# Allegro board REF_038HX-888005K4R-A100.brd
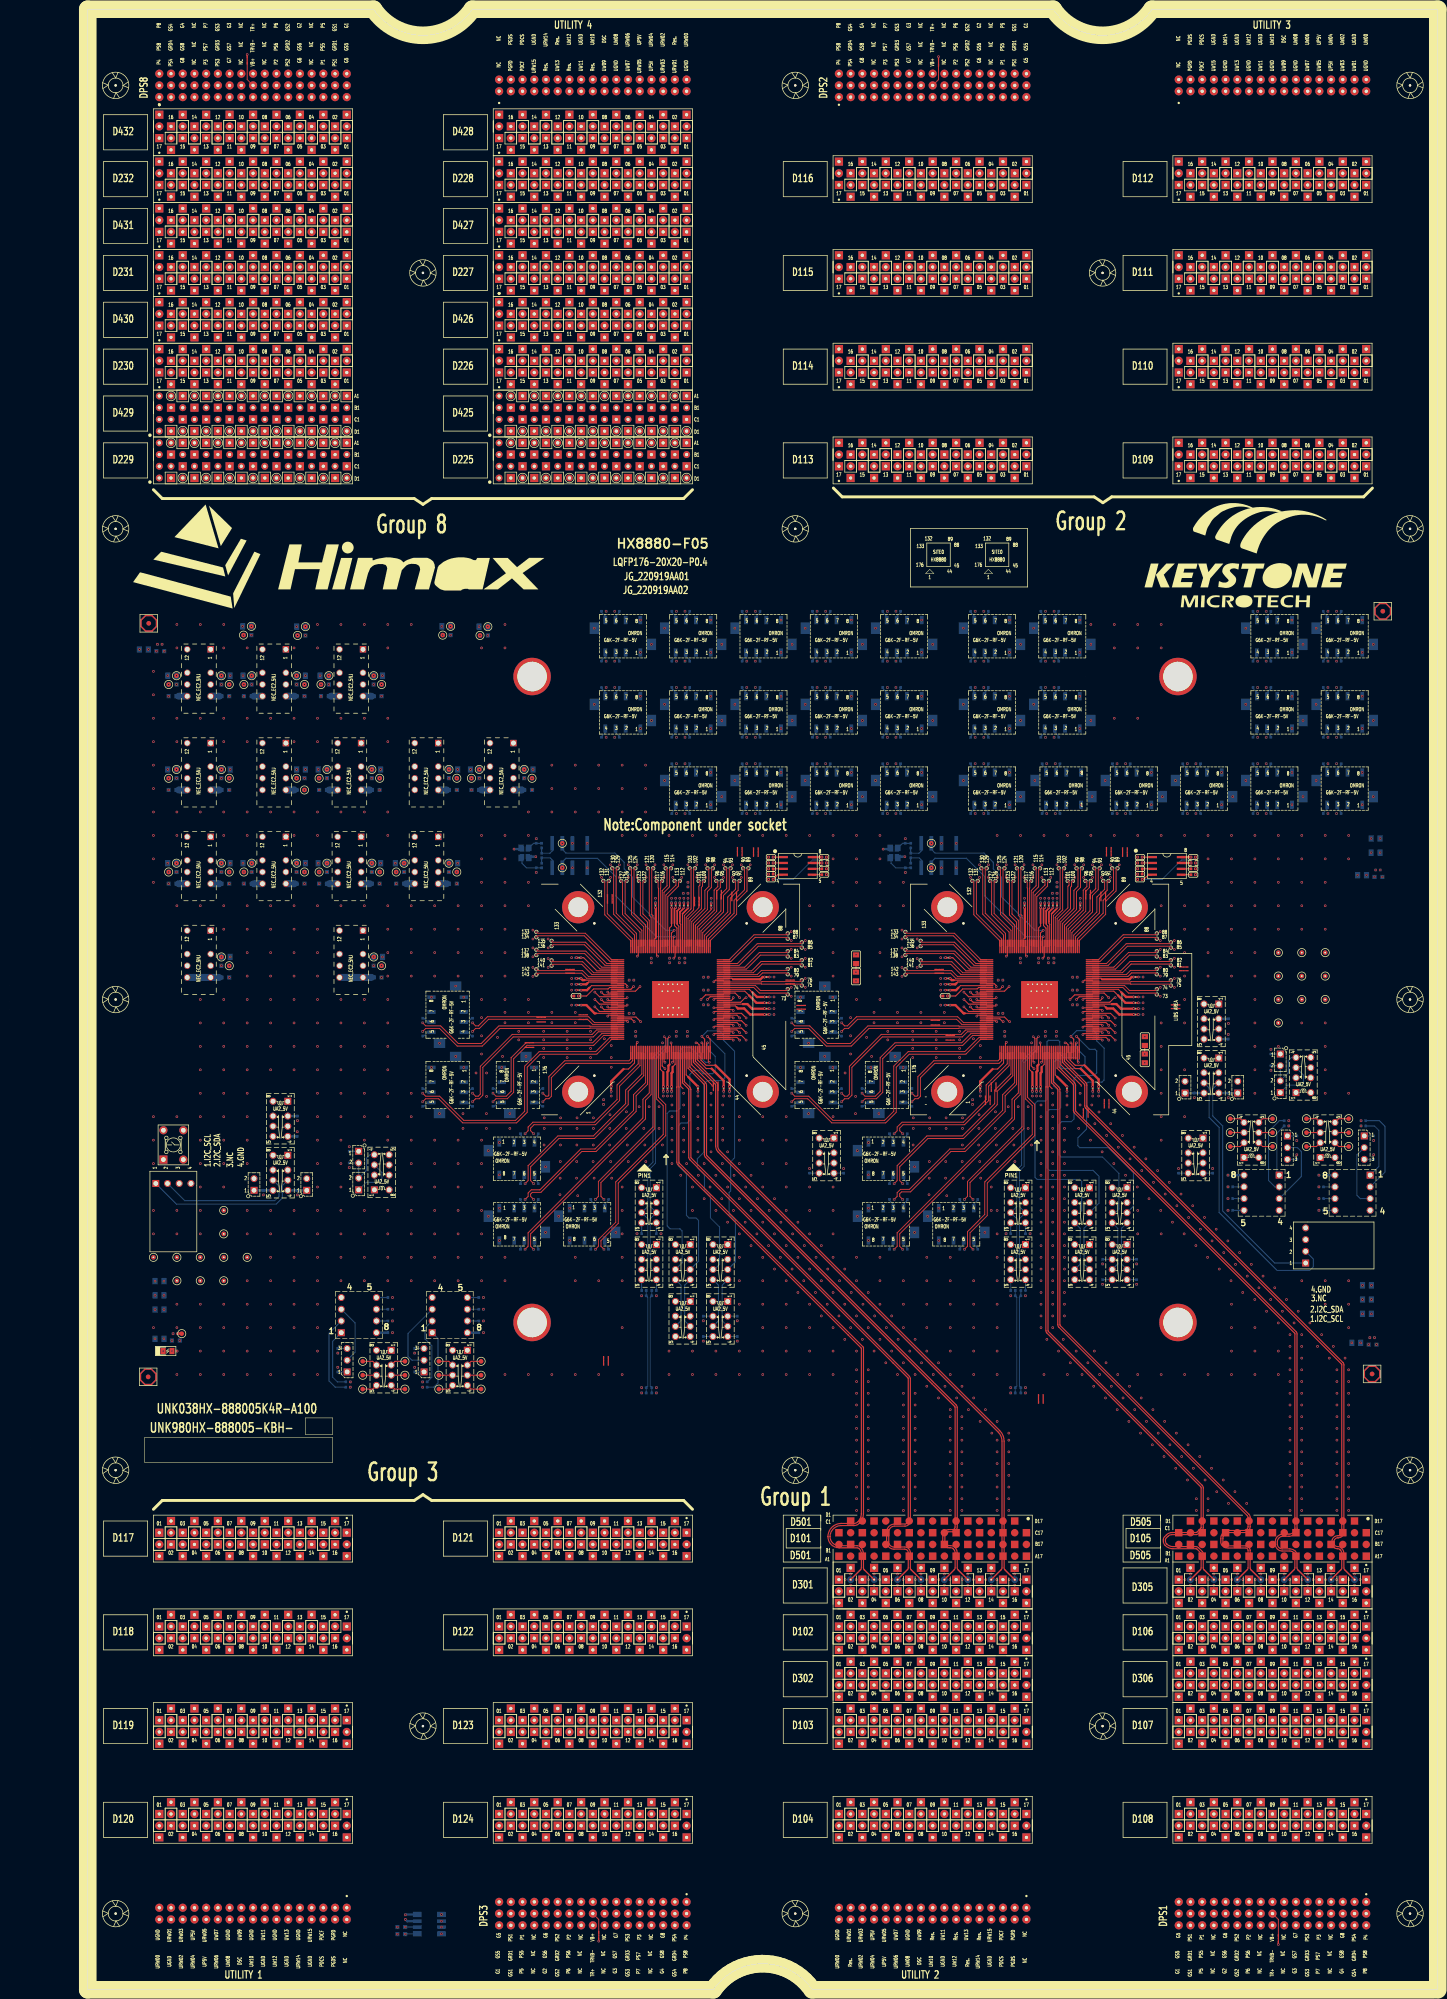
[diagram p0: board, top side]
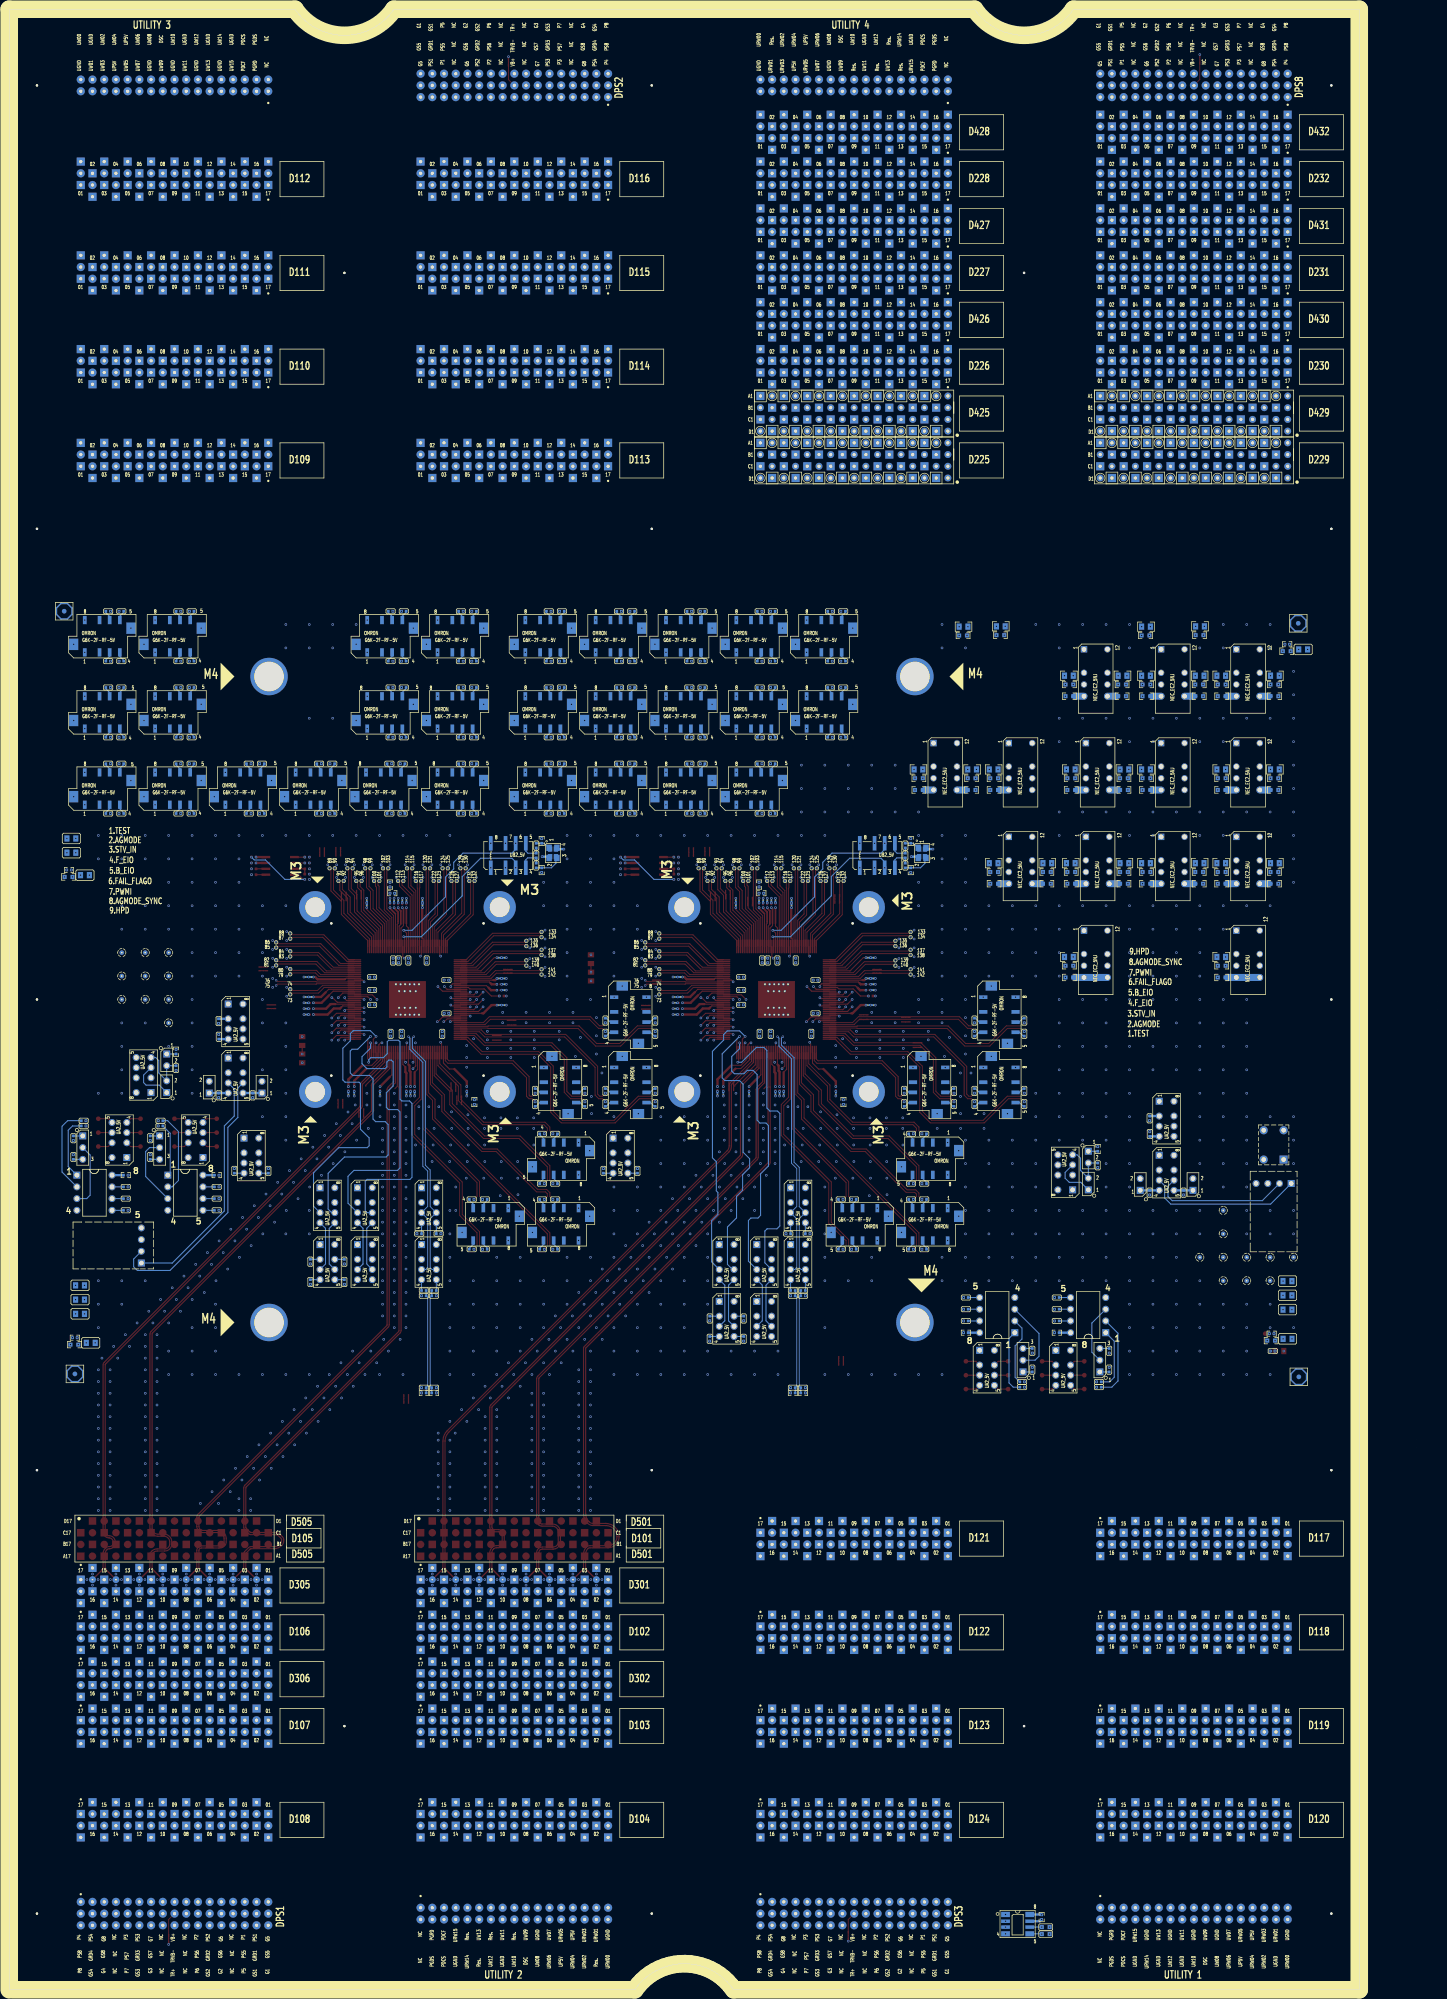
[diagram p1: board, bottom side, seen from below]

Outline 292.64 x 429.26 mm; copper layers: TOP, L02_GND, L03_SIGNAL, L04_GND, L05_SIGNAL, L06_GND, L07_SIGNAL, L08_GND, L09_POWER, L10_GND, L11_POWER, L12_USER, L13_CBIT, L14_POWER, L15_GND, L16_POWER, L17_GND, L18_POWER, L19_GND, L20_SIGNAL, L21_GND, L22_SIGNAL, L23_GND, BOTTOM. Coordinates in mm from the lower left corner of the outline.

## Design rules (mm)
net group 2AUX: nets S1_2AUX+ S1_2AUX-
net group D231_MCB1_E: nets D231_MCB1_E+ D231_MCB1_E-
net group D231_MCB1_EE: nets D231_MCB1_EE+ D231_MCB1_EE-
net group D231_MCB1_F: nets D231_MCB1_F+ D231_MCB1_F-
net group D231_MCB1_FF: nets D231_MCB1_FF+ D231_MCB1_FF-
net group D231_MCB1_G: nets D231_MCB1_G+ D231_MCB1_G-
net group D231_MCB1_GG: nets D231_MCB1_GG+ D231_MCB1_GG-
net group D231_MCB1_H: nets D231_MCB1_H+ D231_MCB1_H-
net group D231_MCB1_HH: nets D231_MCB1_HH+ D231_MCB1_HH-
net group D232_MCB1_E: nets D232_MCB1_E+ D232_MCB1_E-
net group D232_MCB1_EE: nets D232_MCB1_EE+ D232_MCB1_EE-
net group D232_MCB1_F: nets D232_MCB1_F+ D232_MCB1_F-
net group D232_MCB1_FF: nets D232_MCB1_FF+ D232_MCB1_FF-
net group D232_MCB1_G: nets D232_MCB1_G+ D232_MCB1_G-
net group D232_MCB1_GG: nets D232_MCB1_GG+ D232_MCB1_GG-
net group D232_MCB1_H: nets D232_MCB1_H+ D232_MCB1_H-
net group D232_MCB1_HH: nets D232_MCB1_HH+ D232_MCB1_HH-
net group D431_MCB1_A: nets D431_MCB1_A+ D431_MCB1_A-
net group D431_MCB1_AA: nets D431_MCB1_AA+ D431_MCB1_AA-
net group D431_MCB1_B: nets D431_MCB1_B+ D431_MCB1_B-
net group D431_MCB1_BB: nets D431_MCB1_BB+ D431_MCB1_BB-
net group D431_MCB1_C: nets D431_MCB1_C+ D431_MCB1_C-
net group D431_MCB1_CC: nets D431_MCB1_CC+ D431_MCB1_CC-
net group D431_MCB1_D: nets D431_MCB1_D+ D431_MCB1_D-
net group D431_MCB1_DD: nets D431_MCB1_DD+ D431_MCB1_DD-
net group D432_MCB1_A: nets D432_MCB1_A+ D432_MCB1_A-
net group D432_MCB1_AA: nets D432_MCB1_AA+ D432_MCB1_AA-
net group D432_MCB1_B: nets D432_MCB1_B+ D432_MCB1_B-
net group D432_MCB1_BB: nets D432_MCB1_BB+ D432_MCB1_BB-
net group D432_MCB1_C: nets D432_MCB1_C+ D432_MCB1_C-
net group D432_MCB1_CC: nets D432_MCB1_CC+ D432_MCB1_CC-
net group D432_MCB1_D: nets D432_MCB1_D+ D432_MCB1_D-
net group D432_MCB1_DD: nets D432_MCB1_DD+ D432_MCB1_DD-
net group S1_1AUX: nets S1_1AUX+ S1_1AUX-
net group S1_AUXCH: nets S1_AUXCH+ S1_AUXCH-
net group S2_1AUX: nets S2_1AUX+ S2_1AUX-
net group S2_2AUX: nets S2_2AUX+ S2_2AUX-
net group S2_AUXCH: nets S2_AUXCH+ S2_AUXCH-
net group AUX1: nets D12013 D12015 D12406 D12408
net group AUX2: nets D11801 D11803 D12201 D12203
net group CH: nets D10305 D10307 D10309 D10315 D10401 D10402 D10403 D10404 D10405 D10406 D10411 D10416 D10705 D10707 D10709 D10715 D10801 D10802 D10803 D10804 D10805 D10806 D10811 D10816 D11902 D11906 D11911 D12005 D12006 D12007 D12009 D12011 D12105 D12109 D12305 D12312 D12411 D12413 D12415 D12416
net group ELV_RX: nets D11805 D11806 D11807 D11808 D11809 D11810 D11811 D11812 D11813 D11814 D11815 D11816 D12205 D12206 D12207 D12208 D12209 D12210 D12211 D12212 D12213 D12214 D12215 D12216
net group FLASH: nets S1_SPI_CSN S1_SPI_SCK S1_SPI_SDI S1_SPI_SDO S2_SPI_CSN S2_SPI_SCK S2_SPI_SDI S2_SPI_SDO
net group ISP_TX: nets D10901 D10902 D10903 D10904 D10905 D10906 D10907 D10908 D10909 D10910 D10911 D10912 D10913 D10914 D10915 D10916 D11001 D11002 D11003 D11004 D11005 D11006 D11007 D11008 D11009 D11010 D11011 D11012 D11013 D11014 D11015 D11016 D11101 D11102 D11103 D11104 D11105 D11106 D11107 D11108 D11109 D11110 D11111 D11112 D11113 D11114 D11115 D11116 D11209 D11210 D11211 D11212 D11213 D11214 D11215 D11216 D11301 D11302 D11303 D11304 D11305 D11306 D11307 D11308 D11309 D11310 D11311 D11312 D11313 D11314 D11315 D11316 D11401 D11402 D11403 D11404 D11405 D11406 D11407 D11408 D11409 D11410 D11411 D11412 D11413 D11414 D11415 D11416 D11501 D11502 D11503 D11504 D11505 D11506 D11507 D11508 D11509 D11510 D11511 D11512 D11513 D11514 D11515 D11516 D11609 D11610 D11611 D11612 D11613 D11614 D11615 D11616
net group OLV_RX: nets D11702 D11704 D11706 D11708 D11710 D11712 D11713 D11714 D11715 D11716 D11802 D11804 D12102 D12104 D12106 D12108 D12110 D12112 D12113 D12114 D12115 D12116 D12202 D12204
net group RX_9G: nets D30102 D30104 D30106 D30108 D30110 D30112 D30114 D30116 D30502 D30504 D30506 D30508 D30510 D30512 D30514 D30516

## Placement (name value [footprint] x y rotation side)
2SH1  SHORT  [DEFAULT_SHORT_SMALL]  186.95 206.84 180 top
2SH2  SHORT  [DEFAULT_SHORT_SMALL]  186.95 205.83 180 top
2SH3  SHORT  [DEFAULT_SHORT_SMALL]  183.74 210.13 180 top
2SH4  SHORT  [DEFAULT_SHORT_SMALL]  183.74 209.11 180 top
2SH5  SHORT  [DEFAULT_SHORT_SMALL]  235.81 212.66 0 top
2SH6  SHORT  [DEFAULT_SHORT_SMALL]  235.81 213.47 0 top
2SH7  SHORT  [DEFAULT_SHORT_SMALL]  195.85 195.65 270 top
2SH8  SHORT  [DEFAULT_SHORT_SMALL]  196.87 195.65 270 top
2SH9  SHORT  [DEFAULT_SHORT_SMALL]  216.83 190.04 270 top
2SH10  SHORT  [DEFAULT_SHORT_SMALL]  215.81 190.04 270 top
2SH11  SHORT  [DEFAULT_SHORT_SMALL]  237.58 221.67 0 top
2SH12  SHORT  [DEFAULT_SHORT_SMALL]  237.58 220.87 0 top
2SH13  SHORT  [DEFAULT_SHORT_SMALL]  220.82 246.65 90 top
2SH14  SHORT  [DEFAULT_SHORT_SMALL]  221.84 246.65 90 top
2SH15  SHORT  [DEFAULT_SHORT_SMALL]  224.32 246.58 90 top
2SH16  SHORT  [DEFAULT_SHORT_SMALL]  225.33 246.58 90 top
2SH17  SHORT  [DEFAULT_SHORT_SMALL]  219.61 236.96 90 top
2SH18  SHORT  [DEFAULT_SHORT_SMALL]  220.63 236.96 90 top
2SH19  SHORT  [DEFAULT_SHORT_SMALL]  207.11 128.06 270 top
2SH20  SHORT  [DEFAULT_SHORT_SMALL]  206.09 128.06 270 top
2SH21  SHORT  [DEFAULT_SHORT_SMALL]  221.37 192.05 270 top
2SH22  SHORT  [DEFAULT_SHORT_SMALL]  220.35 192.05 270 top
2SH23  SHORT  [DEFAULT_SHORT_SMALL]  217.34 237.35 90 top
2SH24  SHORT  [DEFAULT_SHORT_SMALL]  216.33 237.35 90 top
2SH25  SHORT  [DEFAULT_SHORT_SMALL]  184.54 221.14 180 top
2SH26  SHORT  [DEFAULT_SHORT_SMALL]  184.54 220.34 180 top
2SH27  SHORT  [DEFAULT_SHORT_SMALL]  194.59 192.8 270 top
2SH28  SHORT  [DEFAULT_SHORT_SMALL]  195.61 192.8 270 top
BD29  BD120-3A-S8  [FB0805]  277.29 152.67 0 bottom
BD30  BD120-3A-S8  [FB0805]  15.56 147.42 0 bottom
BD31  BD120-3A-S8  [FB0805]  15.56 150.51 0 bottom
BD32  BD120-3A-S8  [FB0805]  15.56 153.59 0 bottom
BD33  BD120-3A-S8  [FB0805]  15.54 141.08 0 bottom
BD34  BD120-3A-S8  [FB0805]  274.97 140.21 0 bottom
BD35  BD120-3A-S8  [FB0805]  276.22 241.58 0 bottom
BD36  BD120-3A-S8  [FB0805]  279.17 246.45 0 bottom
BD37  BD120-3A-S8  [FB0805]  12.16 290.5 0 bottom
BD38  BD120-3A-S8  [FB0805]  279.17 249.53 0 bottom
BD39  BD120-3A-S8  [FB0805]  277.29 146.5 0 bottom
BD40  BD120-3A-S8  [FB0805]  277.29 149.59 0 bottom
BR902  330-1-S4  [R0402]  18.75 138.43 180 bottom
C3  0.1U-16-X-S4-MU  [C0402]  122.76 129.36 0 bottom
C4  0.1U-16-X-S4-MU  [C0402]  120.56 129.36 180 bottom
C5  22P-50-N-S4-AVX  [C0402]  97.22 248.99 90 bottom
C6  22P-50-N-S4-AVX  [C0402]  97.22 242.67 270 bottom
C7  0.1U-16-X-S4-MU  [C0402]  56.69 182.24 90 bottom
C8  0.1U-16-X-S4-MU  [C0402]  85.27 142.42 0 bottom
C9  0.1U-16-X-S4-MU  [C0402]  65.56 142.42 0 bottom
CA1  NC/10U-10-X6S-S6-MU  [C0603]  95.45 262.58 0 bottom
CA2  NC/47U-10-X5R-S8-TDK  [C0805]  95.55 264.49 0 bottom
CA3  NC/10U-10-X6S-S6-MU  [C0603]  84.02 262.58 180 bottom
CA4  NC/47U-10-X5R-S8-TDK  [C0805]  83.92 264.49 180 bottom
CA5  NC/10U-10-X6S-S6-MU  [C0603]  62.84 221.94 0 bottom
CA6  NC/47U-10-X5R-S8-TDK  [C0805]  62.94 223.85 0 bottom
CA7  NC/10U-10-X6S-S6-MU  [C0603]  62.84 282.9 0 bottom
CA8  NC/47U-10-X5R-S8-TDK  [C0805]  62.94 284.81 0 bottom
CA9  NC/10U-10-X6S-S6-MU  [C0603]  51.41 282.9 180 bottom
CA10  NC/47U-10-X5R-S8-TDK  [C0805]  51.31 284.81 180 bottom
CA11  NC/10U-10-X6S-S6-MU  [C0603]  62.43 262.58 0 bottom
CA12  NC/47U-10-X5R-S8-TDK  [C0805]  62.53 264.49 0 bottom
CA13  NC/47U-10-X5R-S8-TDK  [C0805]  79.25 244.17 0 bottom
CA14  NC/10U-10-X6S-S6-MU  [C0603]  79.15 242.26 0 bottom
CA15  NC/47U-10-X5R-S8-TDK  [C0805]  67.62 244.17 180 bottom
CA16  NC/10U-10-X6S-S6-MU  [C0603]  67.72 242.26 180 bottom
CA17  NC/47U-10-X5R-S8-TDK  [C0805]  62.53 244.17 0 bottom
CA18  NC/10U-10-X6S-S6-MU  [C0603]  62.43 242.26 0 bottom
CA19  NC/47U-10-X5R-S8-TDK  [C0805]  85.78 295.44 180 bottom
CA20  NC/10U-10-X6S-S6-MU  [C0603]  85.88 293.53 180 bottom
CA21  10U-10-X6S-S6-MU  [C0603]  95.45 260.04 0 bottom
CA22  10U-10-X6S-S6-MU  [C0603]  84.02 260.04 180 bottom
CA23  10U-10-X6S-S6-MU  [C0603]  62.84 219.4 0 bottom
CA24  10U-10-X6S-S6-MU  [C0603]  62.84 280.36 0 bottom
CA25  10U-10-X6S-S6-MU  [C0603]  51.41 280.36 180 bottom
CA26  10U-10-X6S-S6-MU  [C0603]  62.43 260.04 0 bottom
CA27  10U-10-X6S-S6-MU  [C0603]  79.15 239.72 0 bottom
CA28  10U-10-X6S-S6-MU  [C0603]  67.72 239.72 180 bottom
CA29  10U-10-X6S-S6-MU  [C0603]  62.43 239.72 0 bottom
CA30  NC/47U-10-X5R-S8-TDK  [C0805]  77.7 295.51 180 bottom
CA31  10U-10-X6S-S6-MU  [C0603]  77.8 293.6 180 bottom
CA32  NC/10U-10-X6S-S6-MU  [C0603]  79.15 262.58 0 bottom
CA33  NC/47U-10-X5R-S8-TDK  [C0805]  79.25 264.49 0 bottom
CA34  10U-10-X6S-S6-MU  [C0603]  79.15 260.04 0 bottom
CA35  NC/10U-10-X6S-S6-MU  [C0603]  51 262.58 180 bottom
CA36  NC/47U-10-X5R-S8-TDK  [C0805]  50.9 264.49 180 bottom
CA37  10U-10-X6S-S6-MU  [C0603]  51 260.04 180 bottom
CA38  NC/10U-10-X6S-S6-MU  [C0603]  51 242.26 180 bottom
CA39  NC/47U-10-X5R-S8-TDK  [C0805]  50.9 244.17 180 bottom
CA40  10U-10-X6S-S6-MU  [C0603]  51 239.72 180 bottom
CB1  0.1U-16-X-S4-MU  [C0402]  18.99 142.21 180 bottom
CB2  10U-25-X-S6  [C0603]  279.78 241.2 180 bottom
CB3  0.1U-16-X-S4-MU  [C0402]  15.61 291.63 180 bottom
CB4  10U-25-X-S6  [C0603]  15.72 290.12 180 bottom
CB5  0.1U-16-X-S4-MU  [C0402]  278.42 141.34 180 bottom
CB6  10U-25-X-S6  [C0603]  278.52 139.83 180 bottom
CB7  0.1U-16-X-S4-MU  [C0402]  279.67 242.7 180 bottom
CB8  10U-25-X-S6  [C0603]  19.1 140.7 180 bottom
CB19  0.1U-16-X-S4-MU  [C0402]  68.85 15.75 90 bottom
CC1  0.47U-10-X6S-S2-TY  [C0201]  113.47 194.12 90 bottom
CC2  4.7U-10-X6T-S4-MU  [C0402]  111.81 192.4 270 bottom
CC4  0.47U-10-X6S-S2-TY  [C0201]  124.77 194.12 90 bottom
CC6  0.47U-10-X6S-S2-TY  [C0201]  125.66 194.12 90 bottom
CC7  0.47U-10-X6S-S2-TY  [C0201]  148.34 212.64 180 bottom
CC8  0.47U-10-X6S-S2-TY  [C0201]  139.12 194.12 90 bottom
CC9  0.47U-10-X6S-S2-TY  [C0201]  105.3 216.66 0 bottom
CC11  0.47U-10-X6S-S2-TY  [C0201]  126.55 194.12 90 bottom
CC13  0.47U-10-X6S-S2-TY  [C0201]  132.26 194.12 90 bottom
CC15  4.7U-2.5-X6S-S2-MU  [C0201]  135.14 234.95 90 bottom
CC16  NC/4.7U-2.5-X6S-S2-MU  [C0201]  148.34 219.5 180 bottom
CC17  4.7U-2.5-X6S-S2-MU  [C0201]  123.06 236.16 270 bottom
CC19  0.47U-10-X6S-S2-TY  [C0201]  128.32 236.16 270 bottom
CC20  4.7U-10-X6T-S4-MU  [C0402]  129.6 237.66 0 bottom
CC22  0.47U-10-X6S-S2-TY  [C0201]  126.54 236.16 270 bottom
CC23  4.7U-10-X6T-S4-MU  [C0402]  130.1 239.53 270 bottom
CC25  0.47U-10-X6S-S2-TY  [C0201]  147.13 215.18 0 bottom
CC26  0.47U-10-X6S-S2-TY  [C0201]  129.21 236.16 270 bottom
CC27  0.47U-10-X6S-S2-TY  [C0201]  135.14 236.16 270 bottom
CC28  0.47U-10-X6S-S2-TY  [C0201]  147.13 219.5 0 top
CC29  0.47U-10-X6S-S2-TY  [C0201]  123.06 234.95 90 bottom
CC30  0.47U-10-X6S-S2-TY  [C0201]  127.43 236.16 270 bottom
CC31  0.47U-10-X6S-S2-TY  [C0201]  148.34 213.91 180 bottom
CC32  0.47U-10-X6S-S2-TY  [C0201]  137.85 194.12 90 bottom
CC33  0.47U-10-X6S-S2-TY  [C0201]  105.3 217.93 0 bottom
CC34  0.47U-10-X6S-S2-TY  [C0201]  105.3 213.41 0 bottom
CC35  0.47U-10-X6S-S2-TY  [C0201]  148.34 211.37 180 bottom
CC36  0.47U-10-X6S-S2-TY  [C0201]  130.1 236.16 270 bottom
CC37  0.47U-10-X6S-S2-TY  [C0201]  105.3 223.69 0 bottom
CC38  NC/4.7U-2.5-X6S-S2-MU  [C0201]  106.52 223.69 180 bottom
CC39  0.47U-10-X6S-S2-TY  [C0201]  105.3 219.2 0 bottom
CC40  4.7U-2.5-X6S-S2-MU  [C0201]  148.34 215.18 180 bottom
CC41  4.7U-2.5-X6S-S2-MU  [C0201]  106.52 219.2 180 bottom
CC42  4.7U-2.5-X6S-S2-MU  [C0201]  106.52 213.41 180 bottom
CD1  0.1U-10-X7R-S2-MU  [C0201]  113.47 195.34 270 top
CD3  0.1U-10-X7R-S2-MU  [C0201]  127.43 234.95 90 top
CD4  0.1U-10-X7R-S2-MU  [C0201]  106.52 216.66 180 top
CD5  0.1U-10-X7R-S2-MU  [C0201]  125.66 195.34 270 top
CD6  0.1U-10-X7R-S2-MU  [C0201]  130.1 234.95 90 top
CD7  0.1U-10-X7R-S2-MU  [C0201]  147.13 212.64 0 top
CD8  0.1U-10-X7R-S2-MU  [C0201]  126.55 195.34 270 top
CD9  0.1U-10-X7R-S2-MU  [C0201]  132.26 195.34 270 top
CD10  0.1U-10-X7R-S2-MU  [C0201]  147.13 219.5 0 bottom
CD11  0.1U-10-X7R-S2-MU  [C0201]  135.14 234.95 90 top
CD12  0.1U-10-X7R-S2-MU  [C0201]  123.06 234.95 90 top
CD13  0.1U-10-X7R-S2-MU  [C0201]  128.32 234.95 90 top
CD14  0.1U-10-X7R-S2-MU  [C0201]  126.54 234.95 90 top
CD15  0.1U-10-X7R-S2-MU  [C0201]  147.13 215.18 0 top
CD16  0.1U-10-X7R-S2-MU  [C0201]  129.21 234.95 90 top
CD17  0.1U-10-X7R-S2-MU  [C0201]  106.52 217.93 180 top
CD18  0.1U-10-X7R-S2-MU  [C0201]  147.13 213.91 0 top
CD19  0.1U-10-X7R-S2-MU  [C0201]  106.52 213.41 180 top
CD20  0.1U-10-X7R-S2-MU  [C0201]  147.13 211.37 0 top
CD21  0.1U-10-X7R-S2-MU  [C0201]  137.85 195.34 270 top
CD22  0.1U-10-X7R-S2-MU  [C0201]  124.77 195.34 270 top
CD23  0.1U-10-X7R-S2-MU  [C0201]  139.12 195.34 270 top
CD24  0.1U-10-X7R-S2-MU  [C0201]  106.52 223.69 180 top
CD25  0.1U-10-X7R-S2-MU  [C0201]  106.52 219.2 180 top
CSDPS225  V93K_CSDPS_DPS32  [PG_VG93K_PF_DPS32_G8D225]  109.49 331.47 0 top
CSDPS229  V93K_CSDPS_DPS32  [PG_VG93K_PF_DPS32_G8D229]  35.83 331.47 0 top
CSDPS425  V93K_CSDPS_DPS32  [PG_VG93K_PF_DPS32_G8D425]  109.49 341.63 0 top
CSDPS429  V93K_CSDPS_DPS32  [PG_VG93K_PF_DPS32_G8D429]  35.83 341.63 0 top
CT1  0.1U-16-X-S4-MU  [C0402]  159.63 244.22 0 top
D101/D501  V93K_PS1600 HD  [PG_VG93K_F_HSM_G1D101_501_ND]  183.15 97.79 0 top
D102  V93K_CH  [PG_VG93K_F_G1D102]  183.15 77.47 0 top
D103  V93K_CH  [PG_VG93K_F_G1D103]  183.15 57.15 0 top
D104  V93K_CH  [PG_VG93K_F_G1D104]  183.15 36.83 0 top
D105/D505  V93K_PS1600 HD  [PG_VG93K_F_HSM_G1D105_505_ND]  256.81 97.79 0 top
D106  V93K_CH  [PG_VG93K_F_G1D106]  256.81 77.47 0 top
D107  V93K_CH  [PG_VG93K_F_G1D107]  256.81 57.15 0 top
D108  V93K_CH  [PG_VG93K_F_G1D108]  256.81 36.83 0 top
D109  V93K_CH  [PG_VG93K_F_G2D109]  256.81 331.47 0 top
D110  V93K_CH  [PG_VG93K_F_G2D110]  256.81 351.79 0 top
D111  V93K_CH  [PG_VG93K_F_G2D111]  256.81 372.11 0 top
D112  V93K_CH  [PG_VG93K_F_G2D112]  256.81 392.43 0 top
D113  V93K_CH  [PG_VG93K_F_G2D113]  183.15 331.47 0 top
D114  V93K_CH  [PG_VG93K_F_G2D114]  183.15 351.79 0 top
D115  V93K_CH  [PG_VG93K_F_G2D115]  183.15 372.11 0 top
D116  V93K_CH  [PG_VG93K_F_G2D116]  183.15 392.43 0 top
D117  V93K_CH  [PG_VG93K_F_G3D117]  35.83 97.79 0 top
D118  V93K_CH  [PG_VG93K_F_G3D118]  35.83 77.47 0 top
D119  V93K_CH  [PG_VG93K_F_G3D119]  35.83 57.15 0 top
D120  V93K_CH  [PG_VG93K_F_G3D120]  35.83 36.83 0 top
D121  V93K_CH  [PG_VG93K_F_G3D121]  109.49 97.79 0 top
D122  V93K_CH  [PG_VG93K_F_G3D122]  109.49 77.47 0 top
D123  V93K_CH  [PG_VG93K_F_G3D123]  109.49 57.15 0 top
D124  V93K_CH  [PG_VG93K_F_G3D124]  109.49 36.83 0 top
D226  V93K_CH  [PG_VG93K_F_G8D226]  109.49 351.79 0 top
D227  V93K_CH  [PG_VG93K_F_G8D227]  109.49 372.11 0 top
D228  V93K_CH  [PG_VG93K_F_G8D228]  109.49 392.43 0 top
D230  V93K_CH  [PG_VG93K_F_G8D230]  35.83 351.79 0 top
D231  V93K_CH  [PG_VG93K_F_G8D231]  35.83 372.11 0 top
D232  V93K_CH  [PG_VG93K_F_G8D232]  35.83 392.43 0 top
D301  V93K_CH  [PG_VG93K_F_G1D301]  183.15 87.63 0 top
D302  V93K_CH  [PG_VG93K_F_G1D302]  183.15 67.31 0 top
D305  V93K_CH  [PG_VG93K_F_G1D305]  256.81 87.63 0 top
D306  V93K_CH  [PG_VG93K_F_G1D306]  256.81 67.31 0 top
D426  V93K_CH  [PG_VG93K_F_G8D426]  109.49 361.95 0 top
D427  V93K_CH  [PG_VG93K_F_G8D427]  109.49 382.27 0 top
D428  V93K_CH  [PG_VG93K_F_G8D428]  109.49 402.59 0 top
D430  V93K_CH  [PG_VG93K_F_G8D430]  35.83 361.95 0 top
D431  V93K_CH  [PG_VG93K_F_G8D431]  35.83 382.27 0 top
D432  V93K_CH  [PG_VG93K_F_G8D432]  35.83 402.59 0 top
DPS1  V93K_DPS  [PG_VG93K_F_G1DPS1]  256.81 16.51 0 top
DPS2  V93K_DPS  [PG_VG93K_F_G2DPS2]  183.15 412.75 0 top
DPS3  V93K_DPS  [PG_VG93K_F_G3DPS3]  109.49 16.51 0 top
DPS8  V93K_DPS  [PG_VG93K_F_G8DPS8]  35.83 412.75 0 top
FD1  -  [FD_040_V2]  13.1 132.84 0 top
FD2  -  [FD_040_V2]  278.4 133.48 0 top
FD3  -  [FD_040_V2]  280.72 298.78 0 top
FD4  -  [FD_040_V2]  13.22 296.16 0 top
FD5  -  [FD_040_V2]  13.22 296.16 180 bottom
FD6  -  [FD_040_V2]  280.72 298.78 180 bottom
FD7  -  [FD_040_V2]  278.4 133.48 180 bottom
FD8  -  [FD_040_V2]  13.1 132.84 180 bottom
GND1  TP01  [TP_040_T]  80 262.58 0 top
GND2  TP01  [TP_040_T]  33.85 282.9 180 top
GND3  TP01  [TP_040_T]  63.28 242.26 0 top
GND4  TP01  [TP_040_T]  50.56 282.9 180 top
GND5  TP01  [TP_040_T]  63.69 282.9 0 top
GND6  TP01  [TP_040_T]  50.15 262.58 180 top
GND7  TP01  [TP_040_T]  63.28 262.58 0 top
GND8  TP01  [TP_040_T]  50.15 242.26 180 top
GND9  TP01  [TP_040_T]  46.98 282.9 0 top
GND10  TP01  [TP_040_T]  30.67 221.94 0 top
GND11  TP01  [TP_040_T]  80 242.26 0 top
GND12  TP01  [TP_040_T]  33.77 293.6 180 top
GND13  TP01  [TP_040_T]  45.48 293.53 180 top
GND14  TP01  [TP_040_T]  66.87 242.26 180 top
HX8880-F05  REF-CODE-CHIP  [CHIP_CODE]  -12.35 119.28 0 top
J1  HDR-2X1-M  [JP_2P_100]  58.73 181.74 0 bottom
J2  HDR-3X1-M  [JP_3P_100]  72.89 133.91 180 bottom
J3  HDR-3X1-M  [JP_3P_100]  56.23 133.91 180 bottom
J4  HDR-2X1-M  [JP_2P_100]  47.47 173.27 180 bottom
J5  HDR-2X1-M  [JP_2P_100]  36.04 173.27 180 bottom
JG_220919AA01  REF-CODE-SOCKET  [SOCKET_CODE]  -17 212.43 0 top
JG_220919AA02  REF-CODE-SOCKET  [SOCKET_CODE]  -17 214.21 0 top
K1  G6K-2F-RF-5V-A  [RL_OMRONG6K2FRF_5V]  176.96 276.85 180 bottom
K2  G6K-2F-RF-5V-A  [RL_OMRONG6K2FRF_5V]  176.96 260.34 180 bottom
K3  G6K-2F-RF-5V-A  [RL_OMRONG6K2FRF_5V]  176.96 293.36 180 bottom
K4  G6K-2F-RF-5V-A  [RL_OMRONG6K2FRF_5V]  161.72 293.36 180 bottom
K5  G6K-2F-RF-5V-A  [RL_OMRONG6K2FRF_5V]  161.72 260.34 180 bottom
K6  G6K-2F-RF-5V-A  [RL_OMRONG6K2FRF_5V]  161.72 276.85 180 bottom
K7  G6K-2F-RF-5V-A  [RL_OMRONG6K2FRF_5V]  146.48 293.36 180 bottom
K8  G6K-2F-RF-5V-A  [RL_OMRONG6K2FRF_5V]  146.48 260.34 180 bottom
K9  UA2-5NJ-A-V3  [RL_NECUA2_5V_V3]  121.66 157.91 90 bottom
K10  UA2-5NJ-A-V3  [RL_NECUA2_5V_V3]  63.73 176.98 270 bottom
K11  G6K-2F-RF-5V-A  [RL_OMRONG6K2FRF_5V]  146.48 276.85 180 bottom
K12  UA2-5NJ-A-V3  [RL_NECUA2_5V_V3]  121.66 170.23 90 bottom
K13  UA2-5NJ-A-V3  [RL_NECUA2_5V_V3]  160.15 180.99 90 bottom
K14  UA2-5NJ-A-V3  [RL_NECUA2_5V_V3]  137.12 157.91 90 bottom
K15  UA2-5NJ-A-V3  [RL_NECUA2_5V_V3]  128.99 157.91 90 bottom
K16  G6K-2F-RF-5V-A  [RL_OMRONG6K2FRF_5V]  131.24 260.34 180 bottom
K17  G6K-2F-RF-5V-A  [RL_OMRONG6K2FRF_5V]  131.24 276.85 180 bottom
K18  UB2-5NU-B  [RL_NECUB2_5V]  104.46 245.83 0 bottom
K19  UA2-5NJ-A-V3  [RL_NECUA2_5V_V3]  128.99 145.59 90 bottom
K20  UA2-5NJ-A-V3  [RL_NECUA2_5V_V3]  137.12 145.59 90 bottom
K21  G6K-2F-RF-5V-A  [RL_OMRONG6K2FRF_5V]  131.24 293.36 180 bottom
K22  G6K-2F-RF-5V-A  [RL_OMRONG6K2FRF_5V]  93.03 180.12 0 bottom
K23  G6K-2F-RF-5V-A  [RL_OMRONG6K2FRF_5V]  108.27 165.9 0 bottom
K24  G6K-2F-RF-5V-A  [RL_OMRONG6K2FRF_5V]  93.03 165.9 0 bottom
K25  G6K-2F-RF-5V-A  [RL_OMRONG6K2FRF_5V]  78 211.34 270 bottom
K26  G6K-2F-RF-5V-A  [RL_OMRONG6K2FRF_5V]  93.24 196.1 270 bottom
K27  G6K-2F-RF-5V-A  [RL_OMRONG6K2FRF_5V]  78 196.1 270 bottom
K28  UA2-5NJ-A-V3  [RL_NECUA2_5V_V3]  41.76 177.27 90 bottom
K29  G6K-2F-RF-5V-A  [RL_OMRONG6K2FRF_5V]  116 276.85 180 bottom
K30  G6K-2F-RF-5V-A  [RL_OMRONG6K2FRF_5V]  116 293.36 180 bottom
K31  EC2-5NJ-A  [RL_NECEC2_10P_5V]  73.43 263.85 90 bottom
K33  NC/UA2-5NJ-A-V3  [RL_NECUA2_5V_V3]  41.76 188.97 90 bottom
K34  EC2-5NJ-A  [RL_NECEC2_10P_5V]  89.74 263.85 90 bottom
K36  EC2-5NJ-A  [RL_NECEC2_10P_5V]  57.12 223.21 90 bottom
K37  EC2-5NJ-A  [RL_NECEC2_10P_5V]  57.12 284.17 90 bottom
K39  EC2-5NJ-A  [RL_NECEC2_10P_5V]  56.72 263.85 90 bottom